# Altium PCB Stand.PcbDoc (part 2 of 3)
Units mm, origin at the board's own origin, x right, y up, seen from the top; angles counter-clockwise.
Board outline 102 x 143 mm, 2 copper layers (Top Layer, Bottom Layer), stack 1.571 mm thick; 426 components, 267 nets, 1118 pads, 182 vias.
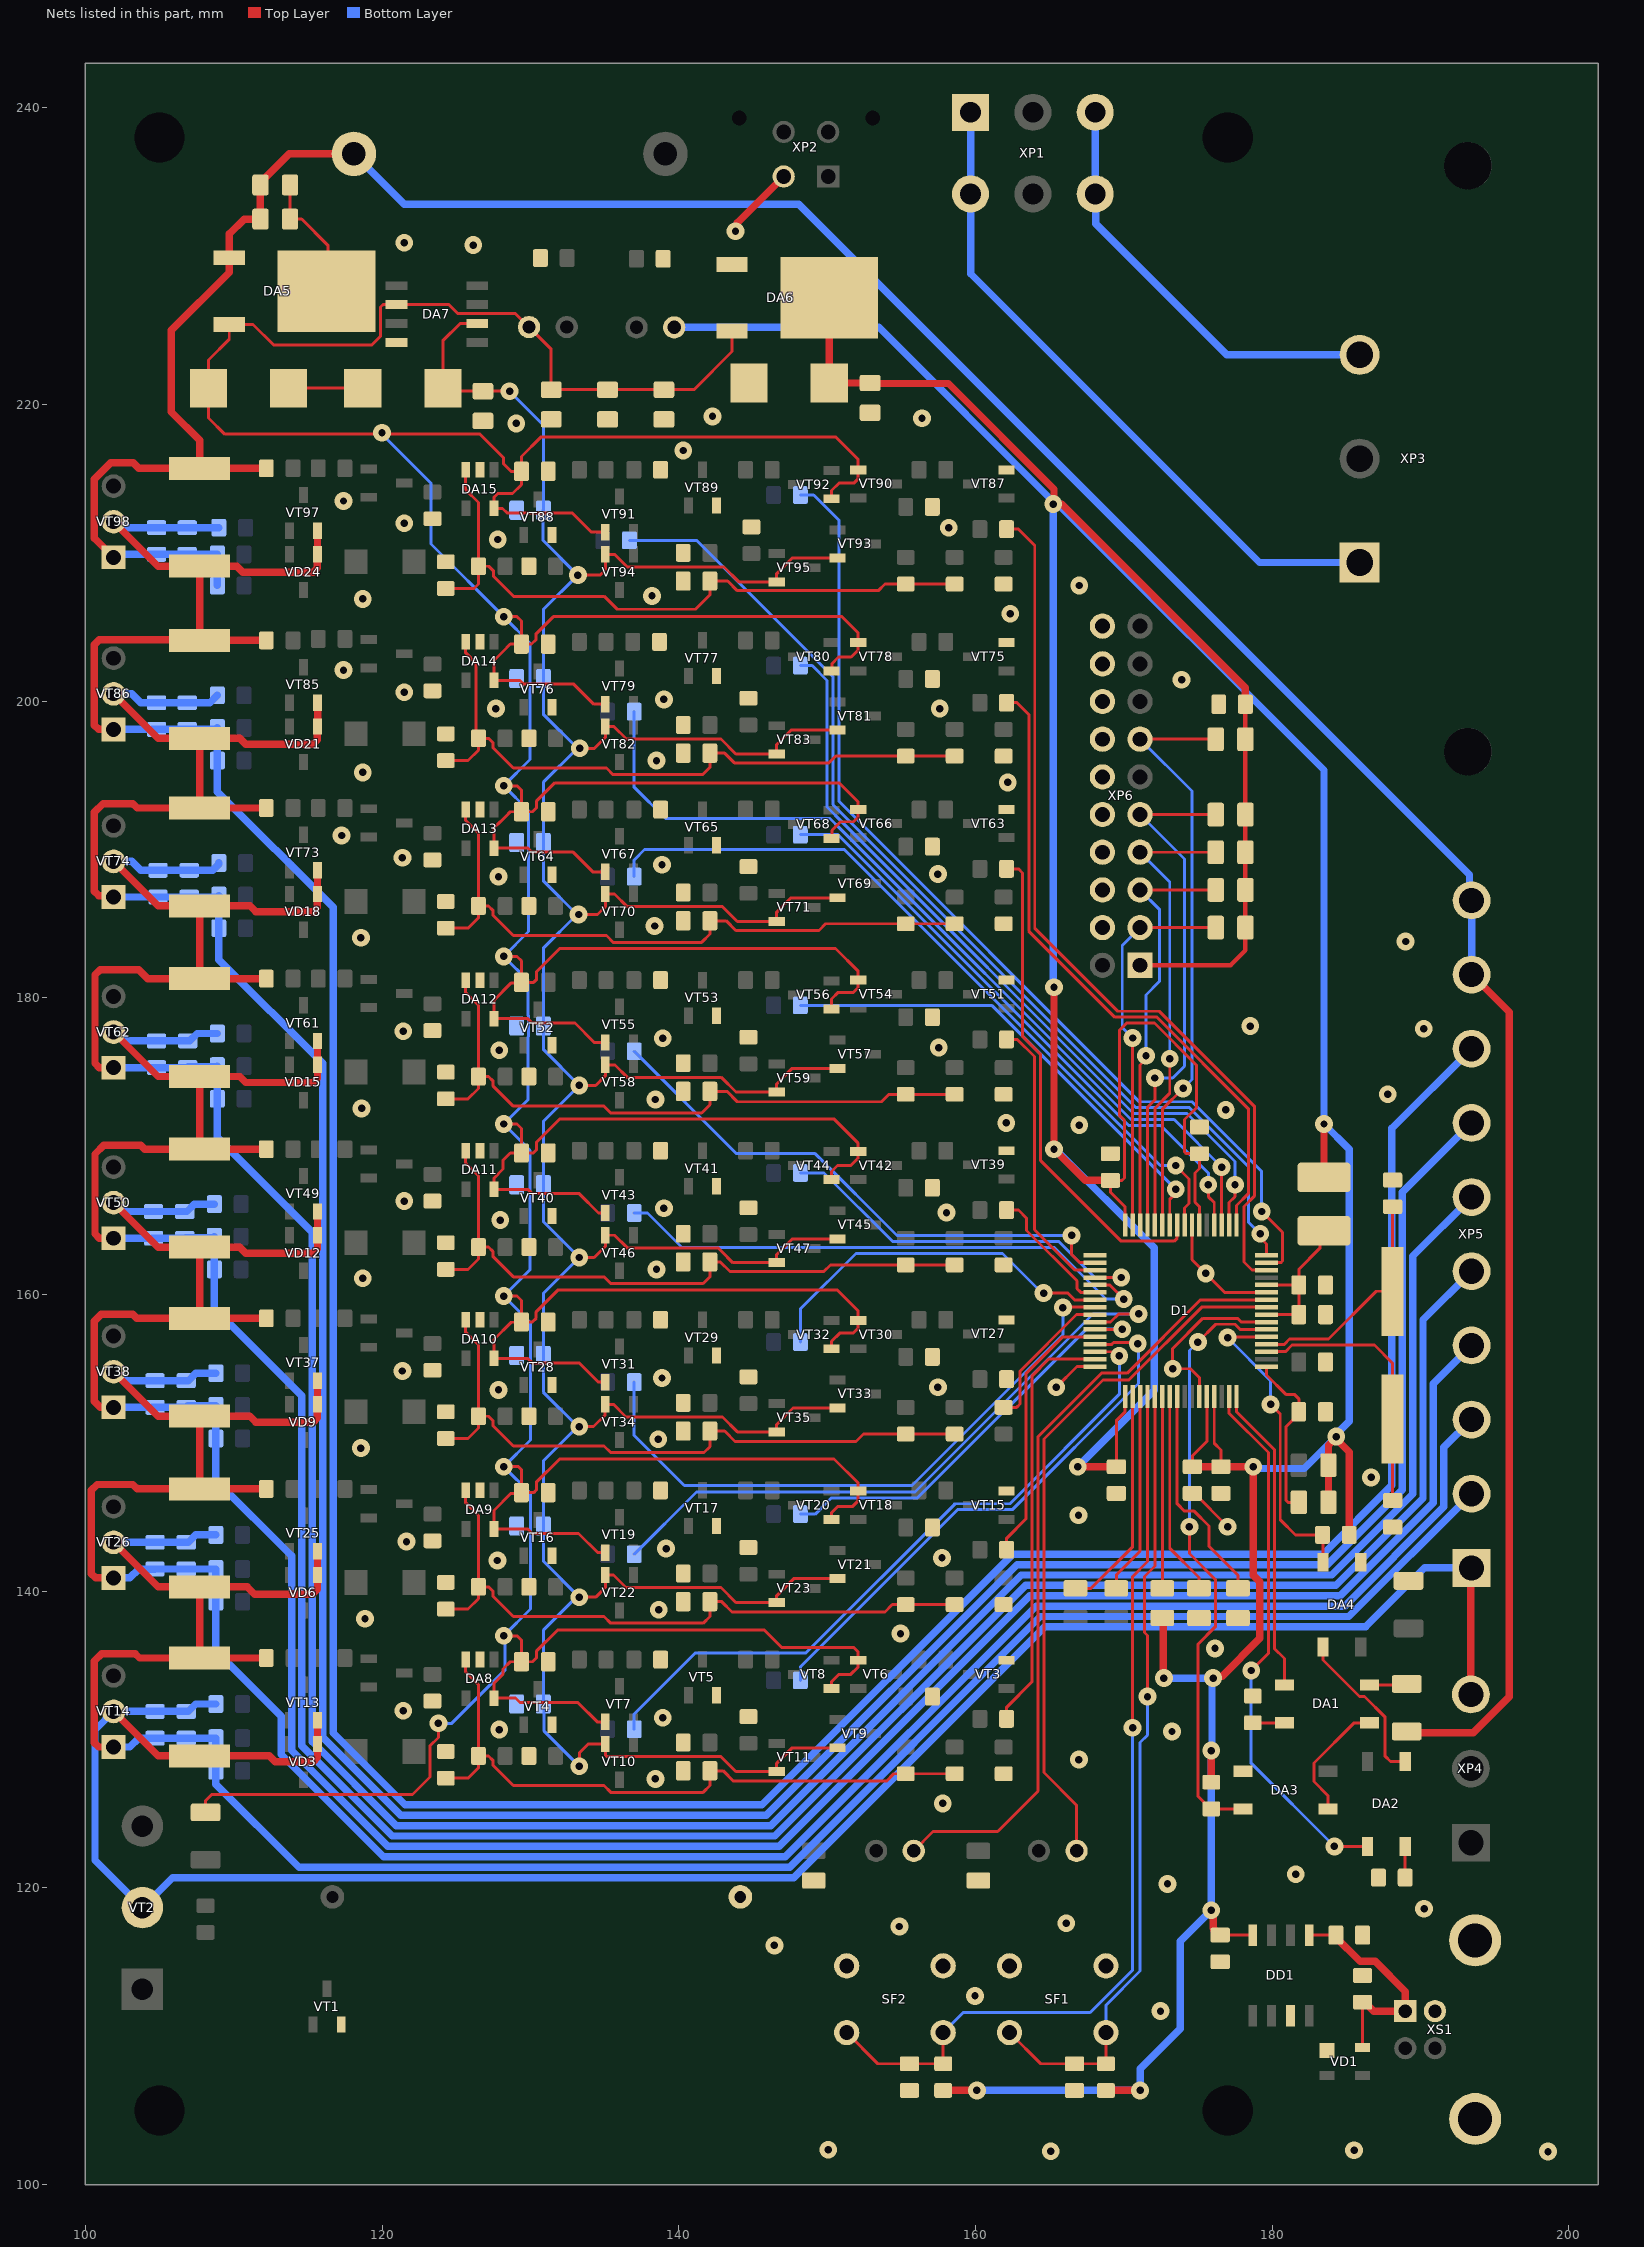
[diagram p2: the nets of this part, all layers, seen from the top]

## Via types
v1: diameter 1.2, hole 0.5, Top Layer to Bottom Layer, tented top, 93 vias
v2: diameter 1.2, hole 0.5, Top Layer to Bottom Layer, tented both sides, 89 vias

## Nets (pads, with @x,y where several pads share a name; then routed paths per layer and width w, separated by ;. In a path a pad name is that pad's centre, name@x,y a point inside that pad or via, vN(x,y) a via of type N, cw(c..) or ccw(c..) an arc to the next point about the centre after c; other vN are vias at no path point)
3.3V: C6.2 C9.1 C13.2 C14.2 C15.2 C16.2 C17.2 C18.2 C26.2 D1.1 D1.12 D1.13 D1.38 D1.48 DA6.4 DD1.8 HL2.2 L1.2 R5.2 R6.2 R12.2 R13.2 R14.2 R15.2 R16.2 R17.2 R18.2 R19.1 R20.1 R21.2 XP6.1 | length 396.2
  Top Layer w0.2: C14.2@169.5,148.4 169.5,151.5 170.1,152.1 D1.1@170.1,153.125 ; D1.48@170.1,164.675 170.1,165.9 169.1,166.9 C16.2@169.1,167.7 169.883,167.7 170.05,167.867 170.05,171.745 169.7,172.095 169.7,177.8 170.2,178.3 172.069,178.3 174.9,175.469 174.9,172.601 174.1,171.801 174.1,169.617 174.217,169.5 C13.2@175.1,169.5 175.1,168.5 174.8,168.2 174.8,166.227 175.1,165.927 D1.38@175.1,164.675 ; C15.2@174.625,148.4 174.625,149.125 175.6,150.1 D1.12@175.6,153.125 ; D1.13@176.1,153.125 176.1,149.975 176.55,149.525 C17.2@176.55,148.4 ; C26.2@176.5,116.825 DD1.8@178.695,116.825
  Top Layer w0.3: XP6.1@171.1,182.2 177.2,182.2 178.2,183.2 R12.2@178.2,184.74 R13.2@178.2,187.28 R14.2@178.2,189.82 R15.2@178.2,192.36 R16.2@178.2,197.44 C18.2@178.2,199.8
  Top Layer w0.5: DA6.4@150.15,227.2 C9.1@150.15,221.45 C6.2@152.9,221.45 ; C6.2@152.933,221.417 158.183,221.417 165.3,214.3 165.3,213.34 v1(165.25,213.29) ; R20.1@157.825,106.35 v1(160.1,106.35) ; v1(165.3,180.725) v1(165.3,169.8) 167.4,167.7 C16.2@169.1,167.7 ; v1@165.3,213.4 165.434,213.266 165.834,213.266 178.193,200.907 178.193,199.807 C18.2@178.2,199.8 ; v1(166.9,148.4) C14.2@169.5,148.4 ; R19.1@168.8,106.35 v1(171.1,106.35) ; R21.2@172.6,138.2 172.653,138.147 172.653,134.453 v1@172.705,134.4 ; C15.2@174.625,148.4 C17.2@176.55,148.4 v1(178.725,148.4) 178.725,141.081 179.175,140.631 179.175,136.825 176.634,134.284 176.159,134.284 v1(176.025,134.15) ; v1(175.9,118.5) 176.034,118.366 176.034,117.291 176.1,117.225 176.1,117.075 176.35,116.825 C26.2@176.5,116.825 ; R5.2@175.9,127.2 v1(175.9,129.26) ; L1.2@183.5,167.9 v1(183.5,171.5) ; R18.2@183.8,146 183.8,149.85 184.325,150.375 v1(184.325,150.425) ; v1@184.325,150.266 185.2,149.391 R6.2@185.2,143.9
  Bottom Layer w0.5: HL2.2@139.695,225.2 153.5,225.2 v1@165.3,213.4 ; v1(160.1,106.35) v1(171.1,106.35) 171.1,107.8 173.8,110.5 173.8,116.4 v1(175.9,118.5) v1(175.9,129.26) 175.95,129.31 175.95,134.075 v1(176.025,134.15) v1(172.705,134.15) ; v1@165.25,180.725 165.25,213.35 v1@165.3,213.4 ; v1@165.4,169.8 172.05,163.15 172.05,153.55 v1(166.9,148.4) ; v1@178.725,148.275 182.175,148.275 v1(184.325,150.425) ; v1@184.325,150.584 185.2,151.459 185.2,169.8 v1(183.5,171.5) 183.5,195.361 165.461,213.4 v1@165.3,213.4
3Vref: C7.2 C10.1 C45.2 C48.2 C51.2 C54.2 C57.2 C60.2 C63.2 C66.2 DA7.6 VT9.2 VT10.2 VT11.2 VT21.2 VT22.2 VT23.2 VT33.2 VT34.2 VT35.2 VT45.2 VT46.2 VT47.2 VT57.2 VT58.2 VT59.2 VT69.2 VT70.2 VT71.2 VT81.2 VT82.2 VT83.2 VT93.2 VT94.2 VT95.2 | length 281.2
  Top Layer w0.2: DA7.6@126.425,225.465 125.265,225.465 124.1,224.3 C10.1@124.1,221.1 124.3,220.9 C7.2@126.8,220.9 v1(128.6,220.9) ; v1(133.2,208.5) 134.7,208.5 135.05,208.85 VT94.2@135.05,209.9 135.676,209.9 136.526,209.05 139.749,209.05 143.05,209.05 144.05,208.05 VT95.2@146.6,208.05 146.6,208.6 147.65,209.65 VT93.2@150.7,209.65 ; v1(133.25,185.625) 134.525,185.625 135.05,186.15 VT70.2@135.05,187 135.676,187 136.526,186.15 139.749,186.15 142.95,186.15 143.95,185.15 VT71.2@146.6,185.15 146.6,185.776 147.574,186.75 VT69.2@150.7,186.75 ; v1(133.3,128.2) 133.3,129.1 133.9,129.7 VT10.2@135.05,129.7 135.05,128.967 135.167,128.85 142.85,128.85 143.85,127.85 VT11.2@146.6,127.85 146.6,128.4 147.65,129.45 VT9.2@150.7,129.45 ; v1(133.3,139.6) 134.4,139.6 135.05,140.25 VT22.2@135.05,141.1 135.6,141.1 136.45,140.25 142.85,140.25 143.85,139.25 VT23.2@146.6,139.25 146.6,139.7 147.75,140.85 VT21.2@150.7,140.85 ; v1(133.3,151.1) 134.256,151.1 135.023,151.867 135.023,152.573 VT34.2@135.05,152.6 135.6,152.6 136.45,151.75 139.749,151.75 142.95,151.75 143.95,150.75 VT35.2@146.6,150.75 146.6,151.25 147.7,152.35 VT33.2@150.7,152.35 ; v1(133.3,162.5) 134.3,162.5 135.05,163.25 VT46.2@135.05,164 135.676,164 136.526,163.15 139.749,163.15 142.651,163.15 142.9,162.901 ; v1(133.3,174.1) 134.4,174.1 135.05,174.75 VT58.2@135.05,175.5 ; v1(133.325,196.825) 134.325,196.825 135.05,197.55 VT82.2@135.05,198.3 135.626,198.3 136.476,197.45 142.85,197.45 143.85,196.45 VT83.2@146.6,196.45 146.6,197.076 147.574,198.05 VT81.2@150.7,198.05 ; VT58.2@135.05,175.475 135.701,175.475 136.526,174.65 139.696,174.65 142.866,174.65 143.866,173.65 VT59.2@146.6,173.65 146.6,174.2 147.65,175.25 VT57.2@150.7,175.25 ; 142.9,162.9 143.65,162.15 VT47.2@146.6,162.15 146.6,162.7 147.65,163.75 VT45.2@150.7,163.75
  Bottom Layer w0.2: v1(128.6,220.9) 130.875,218.625 C66.2@130.875,212.875 ; C66.2@130.85,212.875 130.85,210.85 v1(133.2,208.5) 130.875,206.175 130.875,199.12 133.17,196.825 130.875,194.53 130.875,187.895 133.145,185.625 130.9,183.38 130.9,178.1 130.9,176.5 v1(133.3,174.1) 130.875,171.675 C54.2@130.875,167.4 130.875,164.925 v1(133.3,162.5) 130.875,160.075 C51.2@130.875,155.9 130.875,153.425 133.2,151.1 130.875,148.775 C48.2@130.875,144.4 ; C45.2@130.875,132.4 130.933,132.342 130.933,130.567 v1(133.3,128.2) ; C45.2@130.9,132.4 130.9,137.4 v1@133.1,139.6 ; C48.2@130.9,144.4 130.9,142 v1(133.3,139.6)
12V: C3.2 C4.2 C5.2 C8.1 C46.2 C49.2 C52.2 C55.2 C58.2 C61.2 C64.2 C67.2 DA5.3 DA6.3 DA7.2 DA8.5 DA9.5 DA10.5 DA11.5 DA12.5 DA13.5 DA14.5 DA15.5 HL1.2 R7.2 VT6.1 VT7.1 VT8.1 VT18.1 VT19.1 VT20.1 VT30.1 VT31.1 VT32.1 VT42.1 VT43.1 VT44.1 VT54.1 VT55.1 VT56.1 VT66.1 VT67.1 VT68.1 VT78.1 VT79.1 VT80.1 VT90.1 VT91.1 VT92.1 | length 535.3
  Top Layer w0.2: R7.2@108.1,125.1 108.1,125.883 108.517,126.3 122.06,126.3 123.24,127.48 123.24,129.591 123.8,130.151 v1(123.8,131.1) ; v1@120,218 126.6,218 128.2,216.4 128.2,216 128.7,215.5 C67.2@129.4,215.5 ; v1(120,218.1) 119.9,218 109.4,218 108.3,219.1 C8.1@108.3,221.1 108.3,223 109.7,224.4 DA5.3@109.7,225.4 111.3,225.4 112.675,224.025 119.325,224.025 119.9,224.6 119.9,226.575 120.06,226.735 DA7.2@120.975,226.735 124.508,226.735 125.118,226.125 129.005,226.125 131.4,223.73 C3.2@131.4,221 C4.2@135.2,221 C5.2@139,221 141.025,221 143.6,223.575 DA6.3@143.6,224.95 ; v1(128.2,137) 129.1,137 129.4,136.7 C46.2@129.4,135.25 ; v1(128.2,148.4) 129.2,148.4 129.4,148.2 C49.2@129.4,146.65 130.225,146.65 130.4,146.825 130.4,147.351 131.974,148.925 150.475,148.925 152.1,147.3 VT18.1@152.1,146.75 152.1,146.1 151.7,145.7 150.7,145.7 150.3,145.3 VT20.1@150.3,144.85 ; v1(128.2,159.9) 129.1,159.9 129.4,159.6 C52.2@129.4,158.15 130.133,158.15 130.391,158.408 130.391,158.842 131.874,160.325 150.675,160.325 152.1,158.9 VT30.1@152.1,158.25 152.1,157.75 151.75,157.4 150.85,157.4 150.3,156.85 VT32.1@150.3,156.35 ; v1(128.2,171.5) 129.1,171.5 129.4,171.2 C55.2@129.4,169.75 ; v1(128.2,182.8) 129.1,182.8 129.4,182.5 C58.2@129.4,181.05 ; v1(128.2,194.3) 129.1,194.3 129.4,194 C61.2@129.4,192.55 ; v1(128.2,205.7) 129.1,205.7 129.4,205.4 C64.2@129.4,203.85 ; C49.2@129.35,146.6 128.7,146.6 127.55,145.45 DA9.5@127.55,144.2 128.3,144.2 129.826,144.2 130.126,143.9 133.25,143.9 134.55,142.6 VT19.1@135.05,142.6 ; C52.2@129.385,158.135 128.717,158.135 127.55,156.968 DA10.5@127.55,155.7 129.826,155.7 130.126,155.4 133.275,155.4 134.567,154.108 VT31.1@135.042,154.108 ; VT7.1@135.05,131.2 134.5,131.2 133.2,132.5 129.3,132.5 129,132.8 DA8.5@127.55,132.8 127.55,133.8 128.16,134.41 128.16,134.76 128.65,135.25 C46.2@129.4,135.25 ; VT43.1@135.05,165.5 134.6,165.5 133.3,166.8 130.126,166.8 129.826,167.1 DA11.5@127.55,167.1 127.55,167.85 128.16,168.46 128.16,169.06 128.65,169.55 C55.2@129.4,169.55 130.2,169.55 130.4,169.75 130.4,170.251 131.999,171.85 150.45,171.85 152.1,170.2 VT42.1@152.1,169.65 152.1,169.2 151.6,168.7 150.7,168.7 150.3,168.3 VT44.1@150.3,167.75 ; VT55.1@135.05,177 134.3,177 133,178.3 130.126,178.3 129.826,178.6 DA12.5@127.55,178.6 127.55,179.85 128.717,181.017 129.367,181.017 C58.2@129.4,181.05 ; VT67.1@135.05,188.5 134.2,188.5 132.85,189.85 130.076,189.85 129.826,190.1 DA13.5@127.55,190.1 127.55,191.45 127.975,191.875 127.984,191.875 128.317,192.208 128.317,192.217 128.65,192.55 C61.2@129.4,192.55 ; VT79.1@135.05,199.8 134.275,199.8 132.925,201.15 129.55,201.15 129.3,201.4 DA14.5@127.55,201.4 127.55,202.741 128.16,203.351 128.16,203.36 128.65,203.85 C64.2@129.4,203.85 ; VT91.1@135.05,211.4 134.1,211.4 132.8,212.7 128.427,212.7 128.127,213 DA15.5@127.55,213 127.55,213.75 127.8,214 128.8,214 129.4,214.6 C67.2@129.4,215.5 ; VT8.1@150.3,133.45 150.3,133.9 150.8,134.4 151.6,134.4 152.1,134.9 VT6.1@152.1,135.35 152.1,135.9 151.775,136.225 146.926,136.225 145.776,137.375 131.824,137.375 130.4,135.951 130.4,135.5 130.15,135.25 C46.2@129.4,135.25 ; VT56.1@150.3,179.25 150.3,179.925 150.75,180.375 151.775,180.375 152.1,180.7 VT54.1@152.1,181.2 152.1,181.8 150.575,183.325 131.974,183.325 130.4,181.751 130.4,181.225 130.225,181.05 C58.2@129.4,181.05 ; VT68.1@150.3,190.75 150.325,190.775 150.325,191.3 150.9,191.875 151.775,191.875 152.1,192.2 VT66.1@152.1,192.7 152.1,193.2 150.8,194.5 131.649,194.5 130.4,193.251 130.4,192.8 130.15,192.55 C61.2@129.4,192.55 ; VT80.1@150.3,202.05 150.325,202.075 150.325,202.534 150.766,202.975 151.625,202.975 152.1,203.45 VT78.1@152.1,203.95 152.1,204.6 151,205.7 131.549,205.7 130.366,204.517 130.366,204.133 130.083,203.85 C64.2@129.4,203.85 ; VT92.1@150.3,213.65 150.3,214.2 150.8,214.7 151.8,214.7 152.1,215 VT90.1@152.1,215.6 152.1,216.3 150.6,217.8 130.7,217.8 129.4,216.5 C67.2@129.4,215.5
  Bottom Layer w0.2: v1(120,218.1) 120,218 123.3,214.7 123.3,210.6 v1(128.2,205.7) 129.975,203.925 129.975,196.075 v1(128.2,194.3) 129.875,192.625 129.875,184.475 v1(128.2,182.8) 129.85,181.15 129.85,178.826 129.875,178.801 129.875,177.399 129.85,177.374 129.85,173.15 v1(128.2,171.5) 129.975,169.725 129.975,161.675 v1(128.2,159.9) 130,158.1 130,150.2 v1(128.2,148.4) 130,146.6 130,138.8 v1(128.2,137) ; v1(123.8,131.1) 124.7,131.1 128.275,134.675 v1@128.275,137
35V: C1.2 C2.2 C42.2 C43.2 DA5.1 FU1.2 R3.2 R200.2 R202.2 R203.2 VD25.2 VT98.1 XP5.9 XP5.10 | length 217.1
  Top Layer w0.5: VT98.1@101.9,209.7 100.6,211 100.6,214.968 101.716,216.084 103.184,216.084 103.2,216.068 103.232,216.068 103.6,215.7 VD25.2@107.7,215.7 ; R203.2@112.2,215.7 VD25.2@107.7,215.7 ; FU1.2@118.1,236.9 113.75,236.9 111.8,234.95 C2.2@111.8,234.8 C1.2@111.8,232.5 110.7,232.5 109.7,231.5 DA5.1@109.7,229.9 109.7,228.9 105.8,225 105.8,219.5 107.7,217.6 VD25.2@107.7,215.7 ; R3.2@189.075,130.475 193.55,130.475 195.975,132.9 195.975,179.05 XP5.9@193.45,181.575
  Bottom Layer w0.5: VT98.1@101.9,209.9 C43.2@104.8,209.9 C42.2@106.867,209.9 R202.2@108.9,209.9 R200.2@108.9,207.8 ; FU1.2@118.1,236.9 121.5,233.5 148.1,233.5 193.306,188.294 193.306,186.719 XP5.10@193.45,186.575 XP5.9@193.45,181.575
Button1: C23.2 D1.5 R19.2 SF1.2 SF1.3 | length 53.9
  Top Layer w0.2: SF1.2@162.3,110.25 164.4,108.15 C23.2@166.675,108.15 R19.2@168.8,108.15 SF1.3@168.8,110.25 ; v1(171.6,132.9) 171.6,137.018 171.4,137.218 171.4,141 172.1,141.7 D1.5@172.1,153.125
  Bottom Layer w0.2: SF1.3@168.8,110.25 168.8,112.1 171.1,114.4 171.1,129.8 171.6,130.3 v1(171.6,132.9)
Button2: C24.2 D1.4 R20.2 SF2.2 SF2.3 | length 63.1
  Top Layer w0.2: SF2.2@151.325,110.25 153.425,108.15 C24.2@155.55,108.15 R20.2@157.825,108.15 SF2.3@157.825,110.25 ; v1(170.6,130.8) 170.6,141 171.6,142 D1.4@171.6,153.125
  Bottom Layer w0.2: SF2.3@157.825,110.25 159.175,111.6 167.734,111.6 170.6,114.466 v1(170.6,130.8)
G0: C28.1 C29.1 R47.1 VD3.1 VD4.1 VT2.2 VT13.2 VT14.2 XP4.3 XP5.1 | length 147.6
  Top Layer w0.5: VT14.2@101.9,131.9 104.9,128.9 VD4.1@107.7,128.9 112.4,128.9 112.8,128.5 115.357,128.5 115.65,128.793 VD3.1@115.65,129.7 VT13.2@115.65,131.3 ; XP4.3@193.4,133.05 193.4,141.525 XP5.1@193.45,141.575
  Bottom Layer w0.5: R47.1@108.8,132.4 107.45,132.4 106.95,131.9 C28.1@106.8,131.9 C29.1@104.7,131.9 VT14.2@101.9,131.9 100.65,130.65 100.65,121.875 VT2.2@103.85,118.675 105.875,120.7 147.764,120.7 164.664,137.6 186.3,137.6 190.275,141.575 XP5.1@193.45,141.575
G1: C28.2 C29.2 C30.1 C31.1 R46.2 R48.2 R49.2 R69.1 VD4.2 VD6.1 VD7.1 VT14.1 VT25.2 VT26.2 XP5.2 | length 156.3
  Top Layer w0.5: VT14.1@101.9,129.5 100.893,129.5 100.6,129.793 100.6,135.3 101.1,135.8 103.35,135.8 103.65,135.5 VD4.2@107.7,135.5 ; VT26.2@101.9,143.3 104.9,140.3 VD7.1@107.7,140.3 ; R48.2@112.2,135.5 VD4.2@107.7,135.5 ; VT25.2@115.65,142.7 VD6.1@115.65,141.1 115.65,140.143 115.307,139.8 111.4,139.8 110.9,140.3 VD7.1@107.7,140.3 ; VD4.2@107.7,135.5 VD7.1@107.7,140.3
  Bottom Layer w0.5: VT14.1@101.9,129.5 103,129.5 103.6,130.1 C29.2@104.7,130.1 C28.2@106.8,130.1 R49.2@108.8,130.1 R46.2@108.8,127.9 108.8,127 114.4,121.4 147.474,121.4 164.374,138.3 185.175,138.3 XP5.2@193.45,146.575 ; VT26.2@101.9,143.3 C31.1@104.7,143.3 C30.1@106.8,143.3 106.95,143.3 107.45,143.8 R69.1@108.8,143.8
G2: C30.2 C31.2 C32.1 C33.1 R68.2 R70.2 R71.2 R91.1 VD7.2 VD9.1 VD10.1 VT26.1 VT37.2 VT38.2 XP5.3 | length 168.5
  Top Layer w0.5: VT26.1@101.9,140.9 100.693,140.9 100.4,141.193 100.4,146.8 100.8,147.2 103.2,147.2 103.5,146.9 VD7.2@107.7,146.9 ; VT38.2@101.9,154.8 104.9,151.8 VD10.1@107.7,151.8 ; R70.2@112.2,146.9 VD7.2@107.7,146.9 ; VT37.2@115.65,154.2 VD9.1@115.65,152.6 115.646,152.596 115.646,151.693 115.354,151.4 111.5,151.4 111.1,151.8 VD10.1@107.7,151.8 ; VD7.2@107.7,146.9 VD10.1@107.7,151.8
  Bottom Layer w0.5: VT26.1@101.9,140.9 103,140.9 103.593,141.493 104.693,141.493 C31.2@104.7,141.5 C30.2@106.8,141.5 R71.2@108.8,141.5 R68.2@108.8,139.3 108.8,135.985 113.2,131.585 113.2,129 120.1,122.1 147.184,122.1 164.084,139 184.885,139 191.575,145.69 191.575,149.7 XP5.3@193.45,151.575 ; VT38.2@101.9,154.8 102.198,154.8 102.798,154.2 C33.1@104.7,154.2 C32.1@106.8,154.2 106.95,154.2 107.45,154.7 R91.1@108.8,154.7
G3: C32.2 C33.2 C34.1 C35.1 R90.2 R92.2 R93.2 R113.1 VD10.2 VD12.1 VD13.1 VT38.1 VT49.2 VT50.2 XP5.4 | length 181.8
  Top Layer w0.5: VT38.1@101.9,152.4 101,152.4 100.6,152.8 100.6,158.207 101.068,158.675 103.2,158.675 103.475,158.4 VD10.2@107.7,158.4 ; VT50.2@101.9,166.2 104.9,163.2 VD13.1@107.7,163.2 ; R92.2@112.2,158.4 VD10.2@107.7,158.4 ; VT49.2@115.65,165.6 VD12.1@115.65,164 115.65,163.093 115.357,162.8 110.8,162.8 110.4,163.2 VD13.1@107.7,163.2 ; VD10.2@107.7,158.4 VD13.1@107.7,163.2
  Bottom Layer w0.5: VT38.1@101.9,152.4 C33.2@104.7,152.4 C32.2@106.8,152.4 106.9,152.5 R93.2@108.8,152.5 R90.2@108.8,150.3 108.8,147.485 113.9,142.385 113.9,129.29 120.39,122.8 146.774,122.8 163.674,139.7 184.595,139.7 190.875,145.98 190.875,154 XP5.4@193.45,156.575 ; VT50.2@101.9,166.2 102.198,166.2 102.798,165.6 C35.1@104.6,165.6 C34.1@106.7,165.6 106.85,165.6 107.35,166.1 R113.1@108.7,166.1
G4: C34.2 C35.2 C36.1 C37.1 R112.2 R114.2 R115.2 R135.1 VD13.2 VD15.1 VD16.1 VT50.1 VT61.2 VT62.2 XP5.5 | length 196.6
  Top Layer w0.5: VT50.1@101.9,163.8 100.943,163.8 100.65,164.093 100.65,169.475 101.25,170.075 103.737,170.075 104.012,169.8 VD13.2@107.7,169.8 R114.2@112.2,169.8 ; VT62.2@101.9,177.7 104.9,174.7 VD16.1@107.7,174.7 ; VD13.2@107.7,169.85 VD16.1@107.7,174.7 ; VT61.2@115.65,177.1 VD15.1@115.65,175.5 115.65,174.593 115.357,174.3 110.8,174.3 110.4,174.7 VD16.1@107.7,174.7
  Bottom Layer w0.5: VT50.1@101.9,163.8 C35.2@104.6,163.8 C34.2@106.7,163.8 106.75,163.85 108.65,163.85 R115.2@108.7,163.9 R112.2@108.7,161.7 108.7,159.085 114.6,153.185 114.6,129.58 120.68,123.5 146.485,123.5 163.385,140.4 184.305,140.4 190.175,146.27 190.175,158.3 XP5.5@193.45,161.575 ; VT62.2@101.9,177.7 102.198,177.7 102.798,177.1 C37.1@104.8,177.1 C36.1@106.9,177.1 107.05,177.1 107.55,177.6 R135.1@108.9,177.6
G5: C36.2 C37.2 C38.1 C39.1 R134.2 R136.2 R137.2 R157.1 VD16.2 VD18.1 VD19.1 VT62.1 VT73.2 VT74.2 XP5.6 | length 212.2
  Top Layer w0.5: VT62.1@101.9,175.3 100.943,175.3 100.65,175.593 100.65,181.55 101,181.9 103.6,181.9 104.2,181.3 VD16.2@107.7,181.3 ; VT74.2@101.9,189.2 104.9,186.2 VD19.1@107.7,186.2 ; R136.2@112.2,181.3 VD16.2@107.7,181.3 ; VT73.2@115.65,188.6 VD18.1@115.65,187 115.646,186.996 115.646,186.093 115.354,185.8 111.5,185.8 111.1,186.2 VD19.1@107.7,186.2 ; VD16.2@107.7,181.3 VD19.1@107.7,186.2
  Bottom Layer w0.5: VT62.1@101.9,175.3 C37.2@104.8,175.3 C36.2@106.9,175.3 106.95,175.35 108.85,175.35 R137.2@108.9,175.4 R134.2@108.9,173.2 108.9,170.6 115.3,164.2 115.3,129.87 120.97,124.2 146.195,124.2 163.095,141.1 184.015,141.1 189.475,146.56 189.475,162.6 XP5.6@193.45,166.575 ; VT74.2@101.9,189.2 103.125,189.2 103.725,188.6 C39.1@104.9,188.6 C38.1@107,188.6 108.6,188.6 109,189 R157.1@109,189.1
G6: C38.2 C39.2 C40.1 C41.1 R156.2 R158.2 R159.2 R179.1 VD19.2 VD21.1 VD22.1 VT74.1 VT85.2 VT86.2 XP5.7 | length 226.2
  Top Layer w0.5: VT74.1@101.9,186.8 101.8,186.9 100.893,186.9 100.6,187.193 100.6,192.507 101.193,193.1 103.2,193.1 103.5,192.8 VD19.2@107.7,192.8 ; VT86.2@101.9,200.5 104.9,197.5 VD22.1@107.7,197.5 ; R158.2@112.2,192.8 VD19.2@107.7,192.8 ; VD21.1@115.65,198.3 115.646,198.296 115.646,197.393 115.354,197.1 110.8,197.1 110.4,197.5 VD22.1@107.7,197.5 ; VD21.1@115.654,198.304 VT85.2@115.654,199.896 ; VD19.2@107.7,192.8 VD22.1@107.7,197.5
  Bottom Layer w0.5: VT74.1@101.9,186.8 C38.2@107,186.8 108.9,186.8 R159.2@109,186.9 R156.2@109,184.7 109,182.583 116,175.583 116,130.16 121.26,124.9 145.905,124.9 162.805,141.8 183.725,141.8 188.775,146.85 188.775,166.9 XP5.7@193.45,171.575 ; VT86.2@101.9,200.5 103.125,200.5 103.725,199.9 C41.1@104.8,199.9 C40.1@106.867,199.9 108.4,199.9 R179.1@108.9,200.4
G7: C40.2 C41.2 C42.1 C43.1 R178.2 R180.2 R181.2 R201.1 VD22.2 VD24.1 VD25.1 VT86.1 VT97.2 VT98.2 XP5.8 | length 240.7
  Top Layer w0.5: VT86.1@101.9,198.1 100.893,198.1 100.6,198.393 100.6,203.807 100.943,204.15 107.65,204.15 VD22.2@107.7,204.1 ; VT98.2@101.9,212.1 104.9,209.1 VD25.1@107.7,209.1 ; R181.2@112.2,204.1 VD22.2@107.7,204.1 ; VT97.2@115.65,211.5 VD24.1@115.65,209.9 115.646,209.896 115.646,208.993 115.354,208.7 110.6,208.7 110.207,209.093 107.707,209.093 VD25.1@107.7,209.1 ; VD22.2@107.7,204.1 VD25.1@107.7,209.1
  Bottom Layer w0.5: VT86.1@101.9,198.1 C41.2@104.8,198.1 C40.2@106.867,198.1 108,198.1 108.025,198.125 108.825,198.125 R180.2@108.9,198.2 R178.2@108.9,196 108.9,193.9 116.7,186.1 116.7,130.45 121.55,125.6 145.615,125.6 162.515,142.5 183.435,142.5 188.075,147.14 188.075,171.2 XP5.8@193.45,176.575 ; VT98.2@101.9,212.3 102.198,212.3 102.798,211.7 C43.1@104.8,211.7 C42.1@106.867,211.7 R201.1@109,211.7
GND: C1.1 C2.1 C3.1 C4.1 C5.1 C6.1 C7.1 C8.2 C9.2 C10.2 C11.1 C12.1 C13.1 C14.1 C15.1 C16.1 C17.1 C18.1 C19.1 C20.1 C21.1 C22.1 C23.1 C24.1 C25.1 C26.1 C27.1 C44.1 C45.1 C46.1 C47.1 C48.1 C49.1 C50.1 C51.1 C52.1 C53.1 C54.1 C55.1 C56.1 C57.1 C59.1 C60.1 C61.1 C62.1 C63.1 C64.1 C65.1 C66.1 C67.1 D1.11 D1.23 D1.27 D1.39 D1.49 D1.64 DA3.3 DA4.3 DA5.4 DA6.1 DA7.4 DA8.2 DA9.2 DA10.2 DA11.2 DA12.2 DA13.2 DA14.2 DA15.2 DD1.3 R1.1 R2.1 R4.1 R9.1 R10.1 R11.1 R22.2 R23.2 R24.1 R27.1 R31.1 R32.1 R33.1 R37.1 R38.1 R39.1 R43.1 R45.1 R53.1 R54.1 R55.1 R59.1 R60.1 R61.1 R65.1 R67.1 R75.1 R76.1 R77.1 R81.1 R82.1 R83.1 R87.1 R89.1 R97.1 R98.1 R99.1 R103.1 R104.1 R105.1 R109.1 R111.1 R119.1 R120.1 R121.1 R125.1 R126.1 R127.1 R131.1 R133.1 R141.1 R142.1 R143.1 R147.1 R148.1 R149.1 R153.1 R155.1 R163.1 R164.1 R165.1 R169.1 R170.1 R171.1 R175.1 R177.1 R185.1 R186.1 R187.1 R191.1 R192.1 R193.1 R197.1 R199.1 SF1.1 SF1.4 SF2.1 SF2.4 VD1.1 VT1.2 VT3.2 VT4.2 VT5.2 VT15.2 VT16.2 VT17.2 VT27.2 VT28.2 VT29.2 VT39.2 VT40.2 VT41.2 VT51.2 VT52.2 VT53.2 VT63.2 VT64.2 VT65.2 VT75.2 VT76.2 VT77.2 VT87.2 VT88.2 VT89.2 XP2.2 XP6.4 XP6.6 XP6.8 XP6.10 XP6.12 XP6.14 XP6.16 XP6.18 XP6.20 XS1.4 XS1.5 XS1.6 | length 45.5
  Top Layer w0.2: C8.2@113.7,221.1 C10.2@118.7,221.1 ; C2.1@113.8,234.8 C1.1@113.8,232.5 114.582,232.5 116.342,230.74 116.342,227.742 DA5.4@116.25,227.65 ; v2(165.45,153.75) 166.85,155.15 D1.64@168.075,155.15 ; D1.39@174.6,164.675 174.6,162.35 v2(175.525,161.425) 176.8,160.15 D1.27@179.625,160.15 ; C15.1@174.625,146.6 174.762,146.6 177,144.362 v2(177,144.35) ; D1.11@175.1,153.125 175.1,154.4 174.5,155 v2(173.3,155) 173.3,156.373 175.327,158.4 177.666,158.4 177.916,158.15 D1.23@179.625,158.15
  Top Layer w0.5: v2(143.825,231.679) 143.959,231.812 143.959,232.259 XP2.2@147.075,235.375
  other v2: 198.6,102.225 165.075,102.25 185.525,102.325 150.075,102.35 172.475,111.7 159.975,112.725 146.45,116.125 154.875,117.4 166.125,117.625 190.25,118.6 172.95,120.275 181.6,120.925 157.8,125.7 138.425,127.35 166.975,128.65 173.25,130.55 127.9,130.675 138.925,131.475 121.425,131.95 176.15,136.15 154.95,137.15 118.85,138.15 138.65,138.75 127.775,142.075 157.75,142.25 139.15,142.875 121.65,143.35 166.95,145.125 186.675,147.675 118.575,149.65 138.625,150.25 127.85,153.575 157.475,153.75 138.875,154.375 121.375,154.85 118.7,161.1 138.5,161.7 127.975,165.025 158.05,165.525 139,165.825 121.5,166.3 167,171.425 162.075,171.575 176.875,172.45 118.625,172.55 138.425,173.15 187.8,173.5 127.9,176.475 157.525,176.65 138.925,177.275 121.425,177.75 190.225,177.925 178.525,178.1 189,183.8 118.575,184.05 138.375,184.85 127.85,188.175 157.475,188.35 138.875,188.975 121.375,189.45 117.275,190.95 162.175,194.525 118.7,195.2 138.5,196 127.675,199.5 157.6,199.5 139,200.125 121.5,200.6 173.9,201.45 117.4,202.1 162.35,205.9 118.7,206.9 138.2,207.1 167,207.8 127.8,210.9 158.2,211.7 121.5,212 117.4,213.5 140.3,216.9 129.05,218.725 156.4,219.075 142.275,219.2 126.15,230.75 121.5,230.9
L: XP1.1 XP1.4 XP3.1 | length 45.2
  Bottom Layer w0.5: XP1.4@159.675,234.2 XP1.1@159.675,239.7 ; XP1.4@159.7,234.2 159.7,228.8 179.15,209.35 XP3.1@185.9,209.35
LED1: D1.26 HL3.2 | length 53.2
  Top Layer w0.2: HL3.2@155.845,122.5 157.145,123.8 161.5,123.8 164.225,126.525 164.225,150.425 168.5,154.7 170.229,154.7 175.179,159.65 D1.26@179.625,159.65
LED2: D1.25 HL4.2 | length 47.4
  Top Layer w0.2: HL4.2@166.82,122.5 166.82,125.58 164.625,127.775 164.625,150.259 168.607,154.241 170.341,154.241 175.25,159.15 D1.25@179.625,159.15
MCU1: D1.16 DA1.1 | length 20.8
  Top Layer w0.2: D1.16@177.6,153.125 177.6,152.1 180.15,149.55 180.15,136.15 180.84,135.46 DA1.1@180.84,133.675
MCU2: D1.15 DA2.1 | length 36.5
  Top Layer w0.2: D1.15@177.1,153.125 177.1,152 179.75,149.35 179.75,135.815 v1(178.593,134.658) ; v1(184.2,122.8) 184.205,122.805 DA2.1@186.43,122.805
  Bottom Layer w0.2: v1(178.593,134.658) 178.593,128.407 v1(184.2,122.8)
MCU3: D1.22 DA3.4 R5.1 | length 40.7
  Top Layer w0.2: v1(174.425,144.35) 174.425,142.544 176.175,140.794 176.175,137.606 175,136.431 175,126.177 175.847,125.33 R5.1@175.9,125.33 DA3.4@178.04,125.33 ; v1(175,156.8) 176.2,158 177.5,158 177.85,157.65 D1.22@179.625,157.65
  Bottom Layer w0.2: v1(174.425,144.35) 174.425,156.225 v1(175,156.8)
MCU4: D1.21 DA4.4 R6.1 | length 21.5
  Top Layer w0.2: v1(177,157.1) 177.05,157.15 D1.21@179.625,157.15 ; v1(179.9,152.6) 180.55,151.95 180.55,144.825 181.575,143.8 183.43,143.8 DA4.4@183.43,141.96
  Bottom Layer w0.2: v1(177,157.1) 179.9,154.2 v1(179.9,152.6)
MCU5: D1.63 R28.1 | length 28.5
  Top Layer w0.2: R28.1@162.107,131.407 162.107,132.183 163.8,133.876 163.8,154.5 164.95,155.65 D1.63@168.075,155.65
MCU6: D1.62 R29.1 | length 47
  Top Layer w0.2: D1.62@168.078,156.147 169.15,156.147 169.429,155.867 v1(169.7,155.867)
  Bottom Layer w0.2: R29.1@137,130.7 137,131.725 141.108,135.833 148.567,135.833 158.6,145.866 158.6,145.9 162.325,145.9 169.7,153.275 v1(169.7,155.867)
MCU7: D1.61 R30.1 | length 37.3
  Top Layer w0.2: D1.61@168.075,156.65 169.195,156.65 169.313,156.767 170.877,156.767 v1(170.95,156.694)
  Bottom Layer w0.2: R30.1@148.2,134 148.2,134.9 158.8,145.5 162.491,145.5 171,154.009 171,156.644 v1(170.95,156.694)
MCU8: D1.60 R50.1 | length 18.1
  Top Layer w0.2: R50.1@162.107,142.807 162.107,143.583 163.4,144.876 163.4,154.666 165.884,157.15 D1.60@168.075,157.15
MCU9: D1.58 R51.1 | length 43.9
  Top Layer w0.2: D1.58@168.075,158.15 169.11,158.15 169.66,158.7 v1(171,158.7)
  Bottom Layer w0.2: R51.1@137,142.5 141.2,146.7 155.934,146.7 167.934,158.7 v1(171,158.7)
MCU10: D1.59 R52.1 | length 28.7
  Top Layer w0.2: D1.59@168.075,157.65 168.084,157.659 169.891,157.659 v1(169.9,157.667)
  Bottom Layer w0.2: R52.1@148.2,145.2 149.2,145.2 150.3,146.3 156.1,146.3 167.467,157.667 v1(169.9,157.667)
MCU11: D1.57 R72.1 | length 10.1
  Top Layer w0.2: R72.1@161.9,152.4 162.783,152.4 163,152.617 163,154.831 166.819,158.65 D1.57@168.075,158.65
MCU12: D1.56 R73.1 | length 42.1
  Top Layer w0.2: v1@165.902,159.15 D1.56@168.075,159.15
  Bottom Layer w0.2: R73.1@137,154.1 137,150.5 140.375,147.125 155.725,147.125 165.902,157.302 v1(165.902,159.123)
MCU13: D1.55 R74.1 | length 24.9
  Top Layer w0.2: v1(164.6,160.1) 166.226,160.1 166.676,159.65 D1.55@168.075,159.65
  Bottom Layer w0.2: R74.1@148.2,156.8 148.2,159.025 151.95,162.775 161.818,162.775 164.493,160.1 v1(164.6,160.1)
MCU14: D1.54 R94.1 | length 9.1
  Top Layer w0.2: R94.1@162.1,165.7 162.9,165.7 163.45,165.15 163.45,164.325 166.85,160.925 166.85,160.4 167.1,160.15 D1.54@168.075,160.15
MCU15: D1.53 R95.1 | length 37.7
  Top Layer w0.2: D1.53@168.075,160.65 169.064,160.65 170,159.714 v1(170,159.7)
  Bottom Layer w0.2: R95.1@137,165.5 137.9,165.5 140.225,163.175 165.325,163.175 168.8,159.7 v1(170,159.7)
MCU16: D1.52 R96.1 | length 26.3
  Top Layer w0.2: D1.52@168.075,161.15 v1(169.837,161.15)
  Bottom Layer w0.2: R96.1@148.2,168.2 149.8,168.2 154.425,163.575 165.625,163.575 168.05,161.15 v1(169.837,161.15)
MCU17: D1.51 R116.1 | length 19.3
  Top Layer w0.2: R116.1@162.1,177.2 162.825,177.2 163.975,176.05 163.975,164.375 166.7,161.65 D1.51@168.075,161.65
MCU18: D1.50 R117.1 | length 37.7
  Top Layer w0.2: v1(166.486,163.986) 166.486,162.714 167.05,162.15 D1.50@168.075,162.15
  Bottom Layer w0.2: R117.1@137,176.4 143.9,169.5 149.2,169.5 154.714,163.986 v1(166.486,163.986)
MCU19: D1.42 R118.1 | length 33
  Top Layer w0.2: D1.42@173.1,164.675 173.1,166.429 173.5,166.829 v1(173.5,167.1)
  Bottom Layer w0.2: R118.1@148.2,179.5 161.1,179.5 v1(173.5,167.1)
MCU20: D1.41 R138.1 | length 33.5
  Top Layer w0.2: R138.1@162.1,188.7 162.9,188.7 163.183,188.417 163.183,177.408 164.4,176.191 164.4,169.026 169.826,163.6 173.4,163.6 173.6,163.8 D1.41@173.6,164.675
MCU21: D1.40 R139.1 | length 51.3
  Top Layer w0.2: v1(173.5,168.7) 174.4,167.8 174.4,166.134 174.1,165.834 D1.40@174.1,164.675
  Bottom Layer w0.2: R139.1@137,188.175 137,189.3 137.7,190 151.166,190 172.466,168.7 v1(173.5,168.7)
MCU22: D1.36 R140.1 | length 40.6
  Top Layer w0.2: v1(175.7,167.4) 175.7,166.6 176.1,166.2 D1.36@176.1,164.675
  Bottom Layer w0.2: R140.1@148.2,191 150.731,191 170.331,171.4 172.5,171.4 175.7,168.2 v1(175.7,167.4)
MCU23: D1.33 R160.1 | length 44.4
  Top Layer w0.2: R160.1@162.1,199.9 162.8,199.9 163.6,199.1 163.6,184.5 169.4,178.7 172.234,178.7 178.4,172.534 178.4,166.8 177.6,166 D1.33@177.6,164.675
MCU24: D1.35 R161.1 | length 59.2
  Top Layer w0.2: v1(176.598,168.598) 176.598,168.596 176.6,168.594 D1.35@176.6,164.675
  Bottom Layer w0.2: R161.1@137,199.3 137,194.2 139.1,192.1 150.197,192.1 150.897,191.4 170.497,171.8 173.4,171.8 176.598,168.602 v1(176.598,168.598)
MCU25: D1.34 R162.1 | length 52.6
  Top Layer w0.2: D1.34@177.1,164.675 177.1,166.2 177.5,166.6 v1(177.5,167.4)
  Bottom Layer w0.2: R162.1@148.2,202.4 149,202.4 150,201.4 150,192.863 151.063,191.8 170.663,172.2 174.269,172.2 177.5,168.969 v1(177.5,167.4)
MCU26: D1.30 R182.1 | length 60.5
  Top Layer w0.2: R182.1@162.1,211.6 162.9,211.6 164,210.5 164,184.7 169.6,179.1 172.4,179.1 178.8,172.7 178.8,166.634 178.1,165.934 178.1,162.2 178.65,161.65 D1.30@179.625,161.65
MCU27: D1.32 R183.1 | length 70.8
  Top Layer w0.2: v1(179.2,164.1) 179.2,163.829 179.625,163.404 D1.32@179.625,162.65
  Bottom Layer w0.2: R183.1@136.675,210.85 141.201,210.85 150.4,201.651 150.4,193.028 170.828,172.6 174.434,172.6 178.4,168.634 178.4,164.9 v1(179.2,164.1)
MCU28: D1.31 R184.1 | length 68.8
  Top Layer w0.2: v1(179.3,165.6) 180.7,164.2 180.7,162.267 180.583,162.15 D1.31@179.625,162.15
  Bottom Layer w0.2: R184.1@148.2,213.9 149.1,213.9 150.8,212.2 150.8,193.25 171.05,173 174.6,173 179.3,168.3 v1(179.3,165.6)
N: XP1.3 XP1.6 XP3.3 | length 29
  Bottom Layer w0.5: XP1.6@168.075,234.2 XP1.3@168.075,239.7 ; XP1.6@168.1,234.2 168.1,232.2 176.95,223.35 XP3.3@185.9,223.35
NetC11_2: C11.2 C12.2 D1.24 D1.28 L1.1 | length 10.7
  Top Layer w0.2: D1.24@179.625,158.65 C12.2@181.8,158.65 C11.2@181.8,160.65 ; D1.28@179.625,160.65 C11.2@181.8,160.65 ; L1.1@183.5,164.3 183.217,164.017 183.217,163.117 181.8,161.7 C11.2@181.8,160.65
NetC20_2: C20.2 D1.19 ZQ1.1 | length 18.4
  Top Layer w0.2: D1.19@179.625,156.15 180.899,156.15 ; 180.899,156.153 181.346,156.6 186.9,156.6 188.125,155.375 ZQ1.1@188.125,151.625 C20.2@188.125,146.125
NetC21_2: C21.2 D1.17 R18.1 | length 11.5
  Top Layer w0.2: D1.17@179.625,155.15 179.625,154.575 180.925,153.275 181.5,153.275 181.8,152.975 C21.2@181.8,152.1 181.8,151.95 180.95,151.1 180.95,146.117 181.067,146 R18.1@181.8,146
NetC22_2: C22.2 D1.20 ZQ1.2 | length 15.7
  Top Layer w0.2: D1.20@179.625,156.65 180.83,156.65 181.18,157 183.8,157 187.025,160.225 ZQ1.2@188.125,160.225 C22.2@188.125,165.925
NetC25_2: C25.2 C27.2 DD1.5 VD1.4 XS1.1 | length 15.6
  Top Layer w0.2: DD1.5@182.505,116.825 C25.2@184.3,116.825 ; VD1.4@186.1,109.25 C27.2@186.1,112.3
  Top Layer w0.5: C25.2@184.3,116.825 184.3,116.675 185.925,115.05 186.95,115.05 188.98,113.02 XS1.1@188.98,111.7 186.85,111.7 186.25,112.3 C27.2@186.1,112.3
NetC44_2: C44.2 DA8.3 R40.2 R41.2 R42.2 R43.2 | length 45.1
  Top Layer w0.2: R43.2@124.3,127.4 125.8,127.4 126.5,128.1 R41.2@126.5,128.9 ; DA8.3@125.64,135.4 125.64,134.56 126.5,133.7 R41.2@126.5,128.9 ; R40.2@158.6,127.7 R42.2@155.3,127.7 154.5,127.7 154,127.2 143.7,127.2 143,127.9 C44.2@142.1,127.9 142.1,126.9 141.65,126.45 135.41,126.45 134.96,126.9 128.849,126.9 127.466,128.283 127.466,128.617 127.183,128.9 R41.2@126.5,128.9
NetC47_2: C47.2 DA9.3 R62.2 R63.2 R64.2 R65.2 | length 45.1
  Top Layer w0.2: R65.2@124.3,138.8 125.8,138.8 126.5,139.5 R63.2@126.5,140.3 ; DA9.3@125.64,146.8 125.64,145.96 126.5,145.1 R63.2@126.5,140.3 ; R62.2@158.6,139.1 R64.2@155.3,139.1 154.4,139.1 153.9,138.6 143.6,138.6 142.9,139.3 C47.2@142.1,139.3 142.1,138.3 141.65,137.85 135.41,137.85 134.96,138.3 128.849,138.3 127.466,139.683 127.466,140.017 127.183,140.3 R63.2@126.5,140.3
NetC50_2: C50.2 DA10.3 R84.2 R85.2 R86.2 R87.2 | length 45.2
  Top Layer w0.2: R87.2@124.3,150.3 125.8,150.3 126.5,151 R85.2@126.5,151.8 ; DA10.3@125.64,158.3 125.64,157.46 126.5,156.6 R85.2@126.5,151.8 ; R84.2@158.6,150.6 R86.2@155.3,150.6 152.45,150.6 151.95,150.1 143.8,150.1 143.1,150.8 C50.2@142.1,150.8 142.1,149.75 141.7,149.35 135.41,149.35 134.96,149.8 128.849,149.8 127.466,151.183 127.466,151.517 127.183,151.8 R85.2@126.5,151.8
NetC53_2: C53.2 DA11.3 R106.2 R107.2 R108.2 R109.2 | length 45.1
  Top Layer w0.2: R109.2@124.3,161.7 125.8,161.7 126.5,162.4 R107.2@126.5,163.2 ; DA11.3@125.64,169.7 125.64,168.86 126.5,168 R107.2@126.5,163.2 ; R106.2@158.6,162 R108.2@155.3,162 150.232,162 149.782,161.55 143.45,161.55 142.8,162.2 C53.2@142.1,162.2 142.1,161.2 141.65,160.75 135.41,160.75 134.96,161.2 128.849,161.2 127.466,162.583 127.466,162.917 127.183,163.2 R107.2@126.5,163.2
NetC56_2: C56.2 DA12.3 R128.2 R129.2 R130.2 R131.2 | length 45.1
  Top Layer w0.2: R131.2@124.3,173.2 125.8,173.2 126.5,173.9 R129.2@126.5,174.7 ; DA12.3@125.64,181.2 125.64,180.36 126.5,179.5 R129.2@126.5,174.7 ; R128.2@158.6,173.5 R130.2@155.3,173.5 154.175,173.5 153.675,173 143.95,173 143.25,173.7 C56.2@142.1,173.7 142.1,172.8 141.55,172.25 135.41,172.25 134.96,172.7 128.849,172.7 127.466,174.083 127.466,174.417 127.183,174.7 R129.2@126.5,174.7
NetC59_2: C59.2 DA13.3 R150.2 R151.2 R152.2 R153.2 | length 45
  Top Layer w0.2: R153.2@124.3,184.7 125.8,184.7 126.5,185.4 R151.2@126.5,186.2 ; DA13.3@125.64,192.7 125.64,191.96 126.5,191.1 R151.2@126.5,186.2 ; R150.2@158.6,185 R152.2@155.3,185 149.901,185 149.451,184.55 143.849,184.55 143.199,185.2 C59.2@142.1,185.2 142.1,184.3 141.55,183.75 135.576,183.75 135.126,184.2 128.849,184.2 127.466,185.583 127.466,185.917 127.183,186.2 R151.2@126.5,186.2
NetC62_2: C62.2 DA14.3 R172.2 R173.2 R174.2 R175.2 | length 45.1
  Top Layer w0.2: R175.2@124.3,196 125.8,196 126.5,196.7 R173.2@126.5,197.5 ; DA14.3@125.64,204 125.64,203.26 126.325,202.575 126.325,197.675 R173.2@126.5,197.5 ; R172.2@158.6,196.3 R174.2@155.3,196.3 150.589,196.3 150.139,195.85 143.75,195.85 143.1,196.5 C62.2@142.1,196.5 142.1,195.55 141.6,195.05 135.576,195.05 135.126,195.5 128.849,195.5 127.466,196.883 127.466,197.217 127.183,197.5 R173.2@126.5,197.5
NetC65_2: C65.2 DA15.3 R194.2 R195.2 R196.2 R197.2 | length 45.7
  Top Layer w0.2: R197.2@124.3,207.6 126.2,207.6 126.5,207.9 R195.2@126.5,209.1 ; DA15.3@125.64,215.6 125.64,214.259 126.5,213.399 R195.2@126.5,209.1 ; R194.2@158.6,207.9 R196.2@155.3,207.9 153.9,207.9 153.45,207.45 143.95,207.45 143.3,208.1 C65.2@142.1,208.1 142.1,207.175 141.125,206.2 135.85,206.2 134.975,207.075 128.859,207.075 127.5,208.434 127.5,208.8 127.2,209.1 R195.2@126.5,209.1
NetD1_2: D1.2 R25.1 | length 15.1
  Top Layer w0.2: R25.1@166.75,140.2 167.8,140.2 170.6,143 D1.2@170.6,153.125
NetD1_3: D1.3 R26.1 | length 13.6
  Top Layer w0.2: R26.1@169.5,140.2 169.5,141.1 171.1,142.7 D1.3@171.1,153.125
NetD1_6: D1.6 R21.1 | length 12.9
  Top Layer w0.2: R21.1@172.6,140.2 D1.6@172.6,153.125
NetD1_7: D1.7 R22.1 | length 13.7
  Top Layer w0.2: D1.7@173.1,153.125 173.1,142.9 175.067,140.933 R22.1@175.067,140.2
NetD1_8: D1.8 R23.1 | length 15
  Top Layer w0.2: D1.8@173.6,153.125 173.6,145.9 174.1,145.4 174.75,145.4 175.747,144.403 175.747,143.028 177.7,141.075 R23.1@177.7,140.2
NetD1_43: D1.43 R16.1 XP6.13 | length 40.1
  Top Layer w0.2: XP6.13@171.1,197.44 R16.1@176.2,197.44 ; D1.43@172.6,164.675 172.6,172.5 v1(174,173.9)
  Bottom Layer w0.2: XP6.13@171.1,197.44 174.6,193.94 174.6,174.5 v1(174,173.9)
NetD1_44: D1.44 R14.1 XP6.7 | length 31.5
  Top Layer w0.2: XP6.7@171.1,189.82 R14.1@176.2,189.82 ; D1.44@172.1,164.675 172.1,172.566 173.1,173.566 v1(173.1,175.9)
  Bottom Layer w0.2: XP6.7@171.1,189.82 173.1,187.82 v1(173.1,175.9)
NetD1_45: D1.45 R15.1 XP6.9 | length 35.8
  Top Layer w0.2: XP6.9@171.1,192.36 R15.1@176.2,192.36 ; D1.45@171.6,164.675 171.6,172.631 172.1,173.131 v1(172.1,174.6)
  Bottom Layer w0.2: XP6.9@171.1,192.36 174.1,189.36 174.1,175.4 173.3,174.6 v1(172.1,174.6)
NetD1_46: D1.46 R13.1 XP6.5 | length 28.8
  Top Layer w0.2: D1.46@171.1,164.675 171.1,175.483 171.5,175.883 v1(171.5,176.1) ; XP6.5@171.1,187.28 R13.1@176.2,187.28
  Bottom Layer w0.2: XP6.5@171.1,187.28 172.4,185.98 172.4,181.1 171.5,180.2 v1(171.5,176.1)
NetD1_47: D1.47 R12.1 XP6.3 | length 26
  Top Layer w0.2: D1.47@170.6,164.675 v1(170.6,177.3) ; XP6.3@171.1,184.74 R12.1@176.2,184.74
  Bottom Layer w0.2: v1(170.6,177.3) 169.9,178 169.9,183.54 XP6.3@171.1,184.74
NetDA1_2: DA1.2 R1.2 | length 2.1
  Top Layer w0.2: R1.2@178.7,131.135 DA1.2@180.84,131.135
NetDA1_3: DA1.3 DA3.1 | length 8.3
  Top Layer w0.2: DA3.1@183.76,125.33 183.76,126.24 182.825,127.175 182.825,128.425 185.535,131.135 DA1.3@186.56,131.135
NetDA1_4: DA1.4 R3.1 | length 2.5
  Top Layer w0.2: DA1.4@186.56,133.675 R3.1@189.075,133.675
NetDA2_2: DA2.2 R2.2 | length 2.1
  Top Layer w0.2: R2.2@188.97,120.7 DA2.2@188.97,122.805
NetDA2_3: DA2.3 DA4.1 | length 10.8
  Top Layer w0.2: DA4.1@183.43,136.24 183.43,135.366 185.896,132.9 186.234,132.9 187.625,131.509 187.625,128.875 187.975,128.525 DA2.3@188.97,128.525